# Altium PCB WUT-4-3-3.PcbDoc (part 1 of 4)
Units mil, origin at the board's own origin, x right, y up, seen from the top; angles counter-clockwise.
Board outline 3346.46 x 2204.72 mil, 4 copper layers (Top Layer, GND Plane, 3V3 Plane, Bottom Layer), stack 30.635 mil thick; 241 components, 333 nets, 1194 pads, 457 vias.
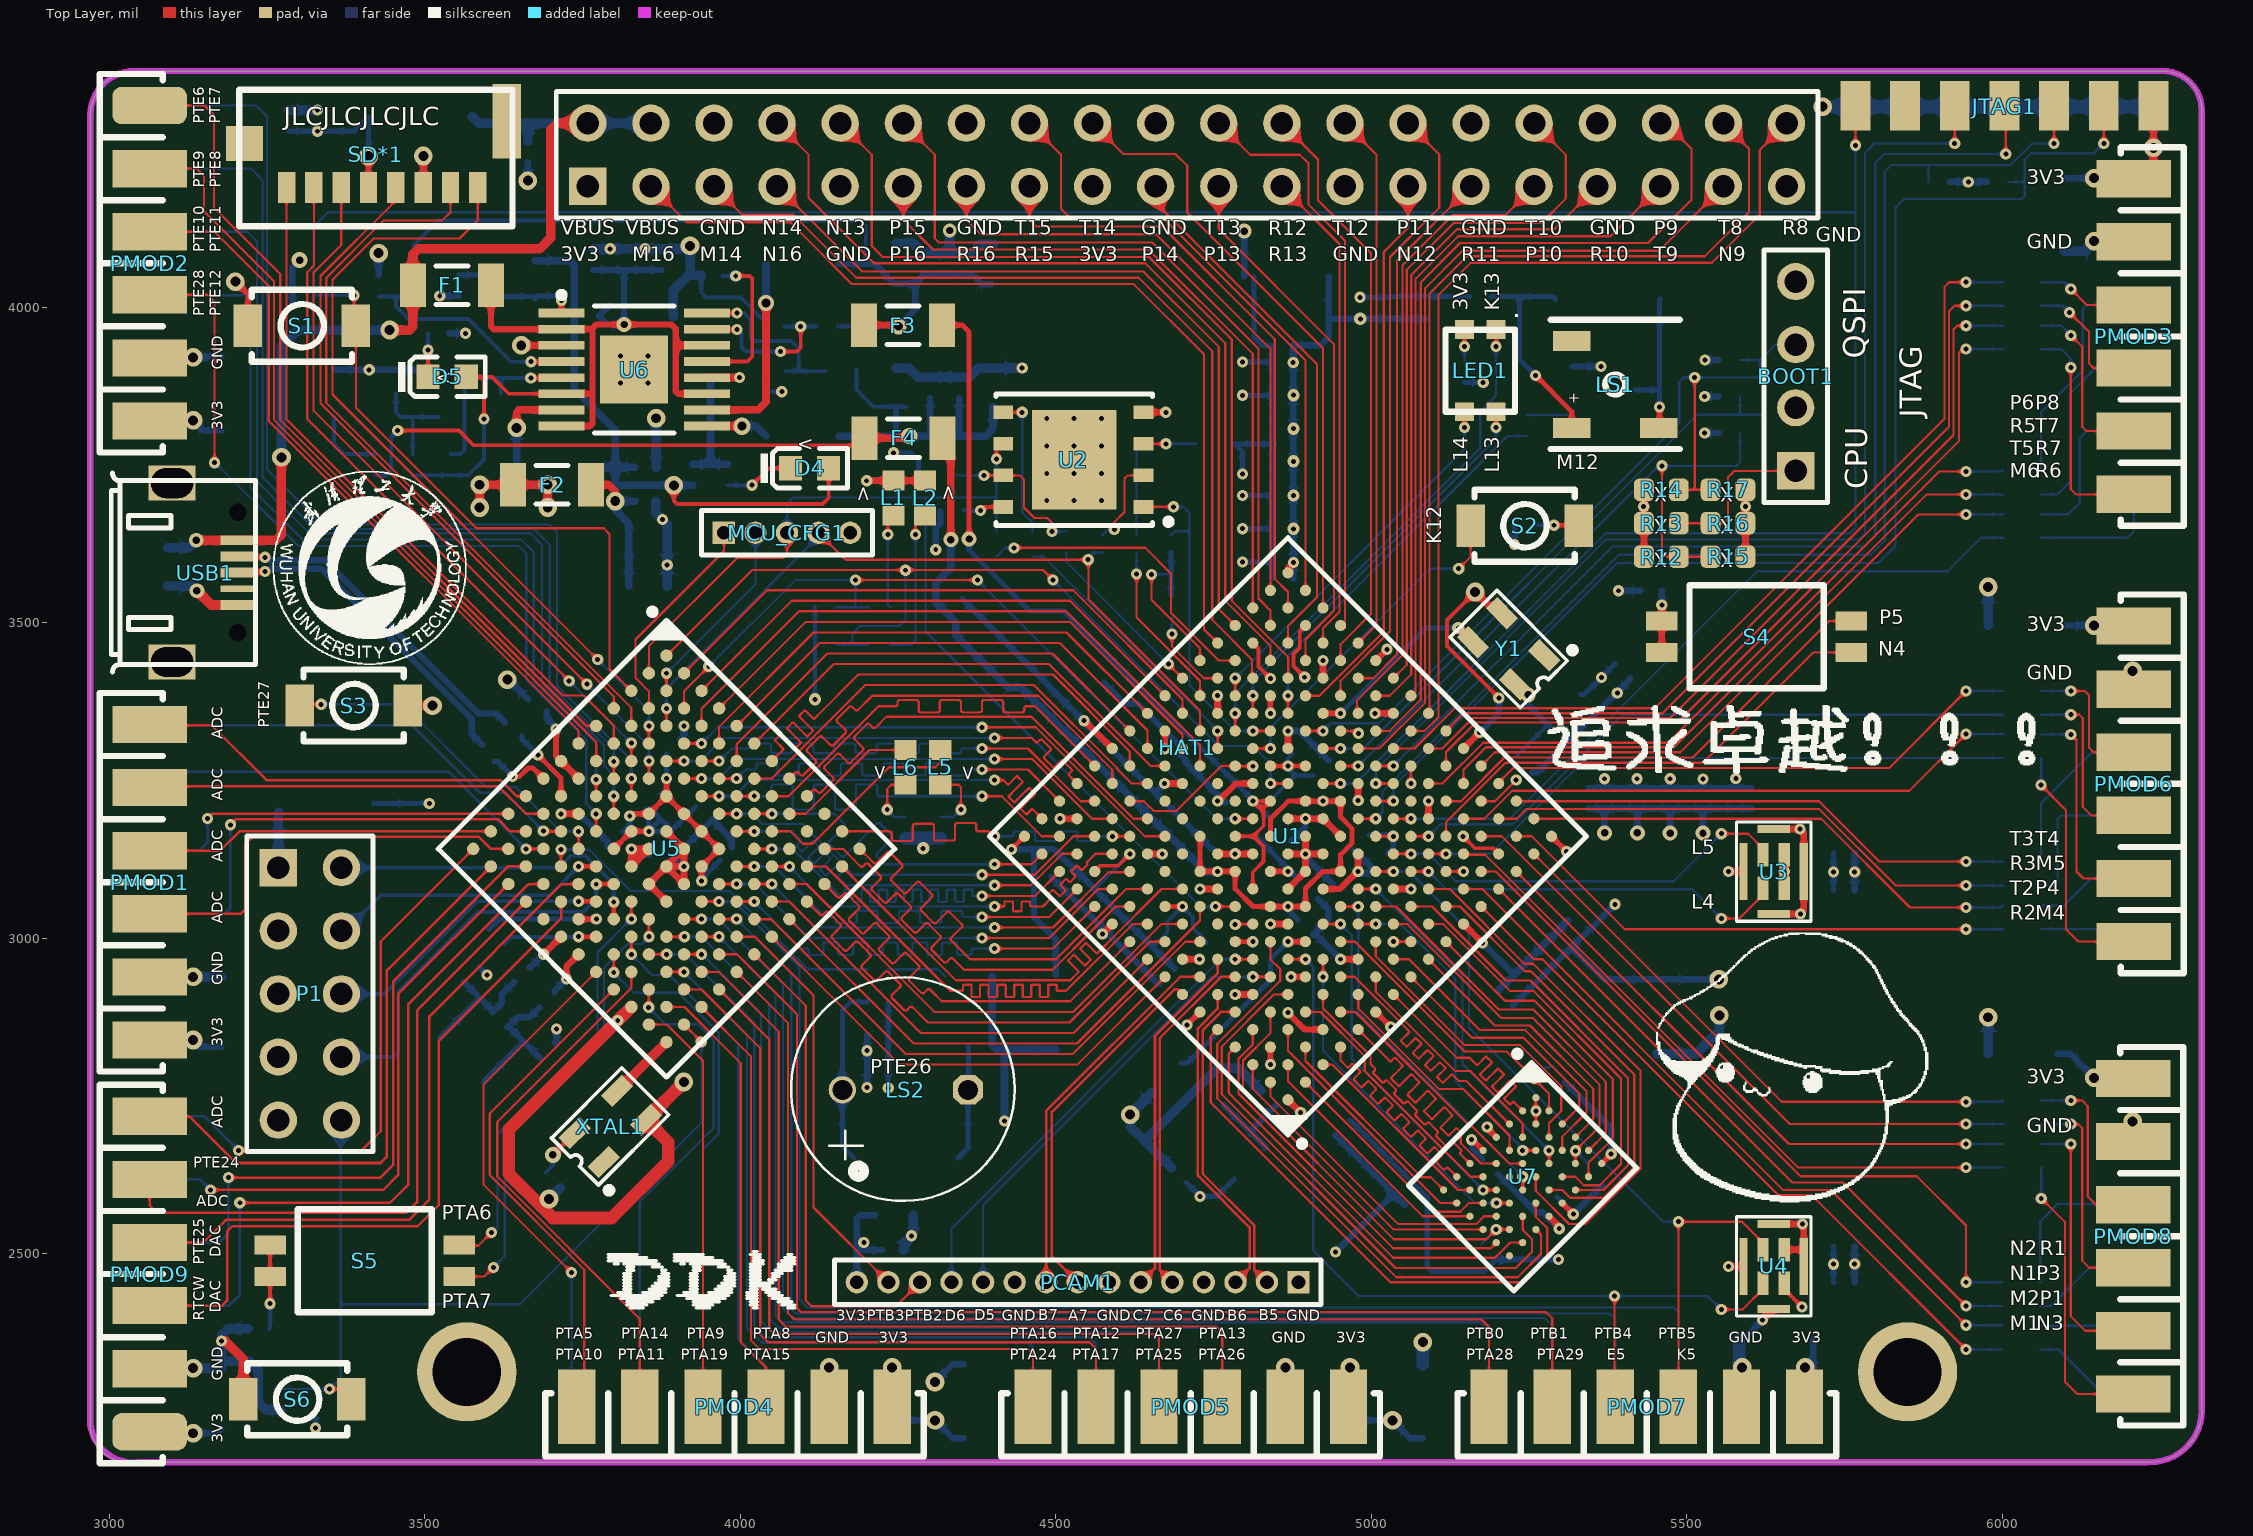
[diagram p0: Top Layer view]
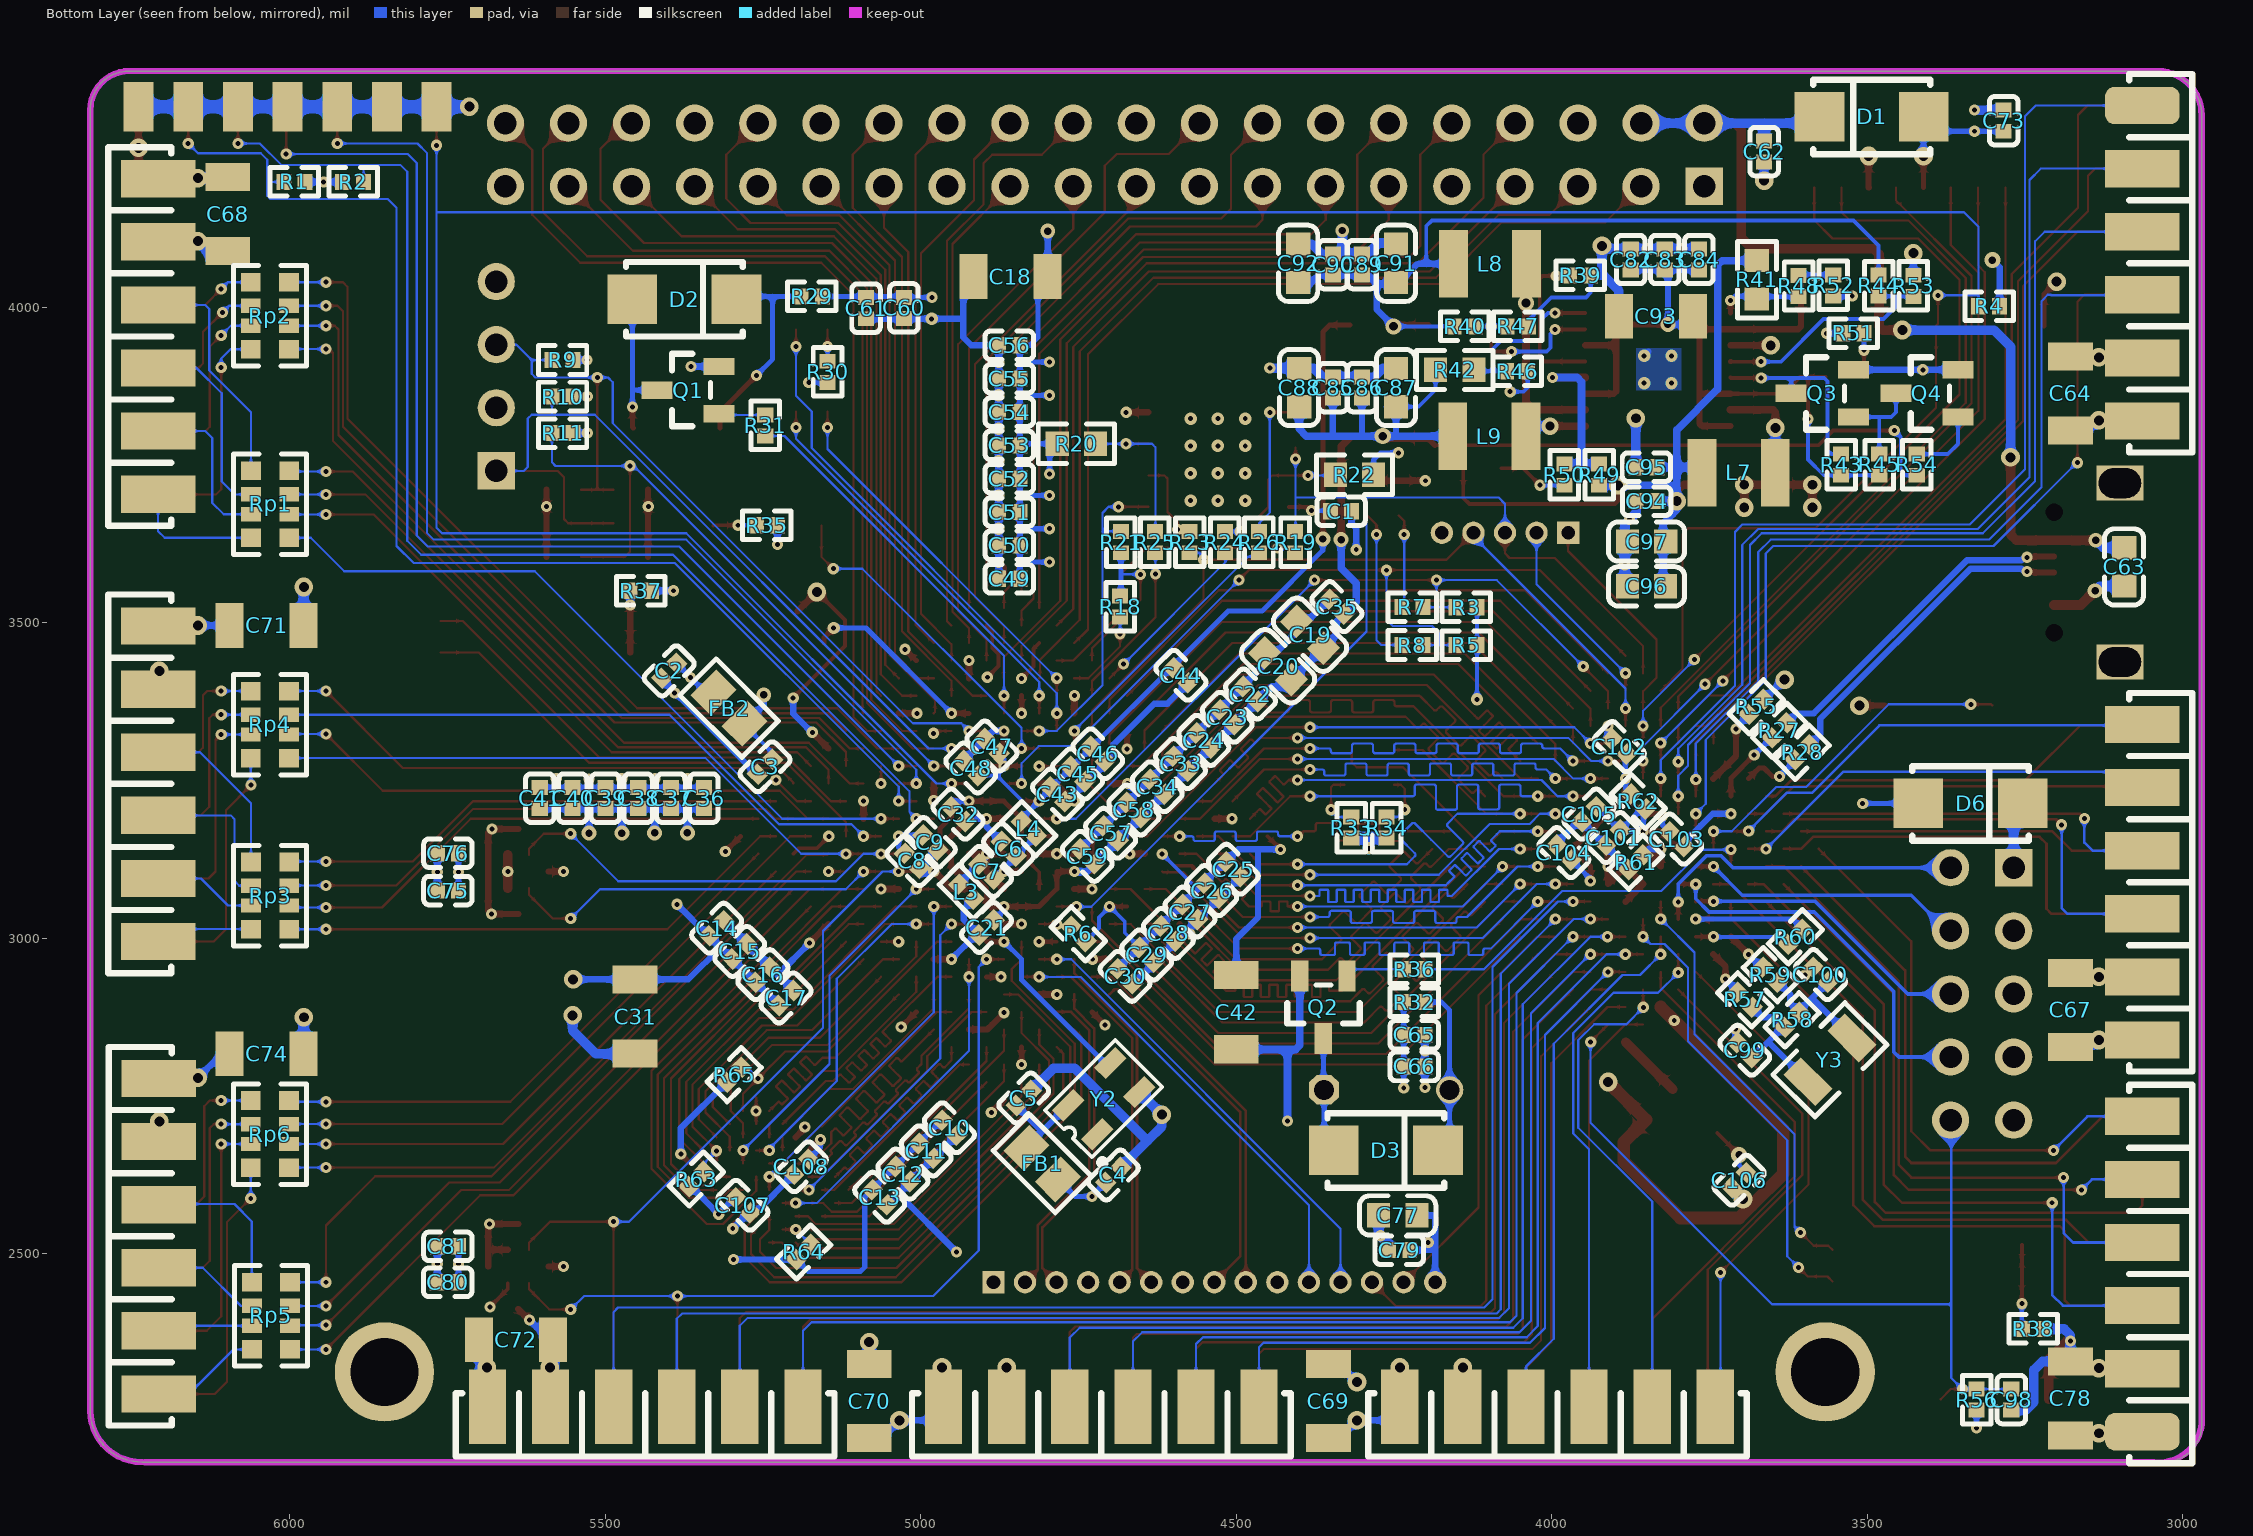
[diagram p1: Bottom Layer view, seen from below]
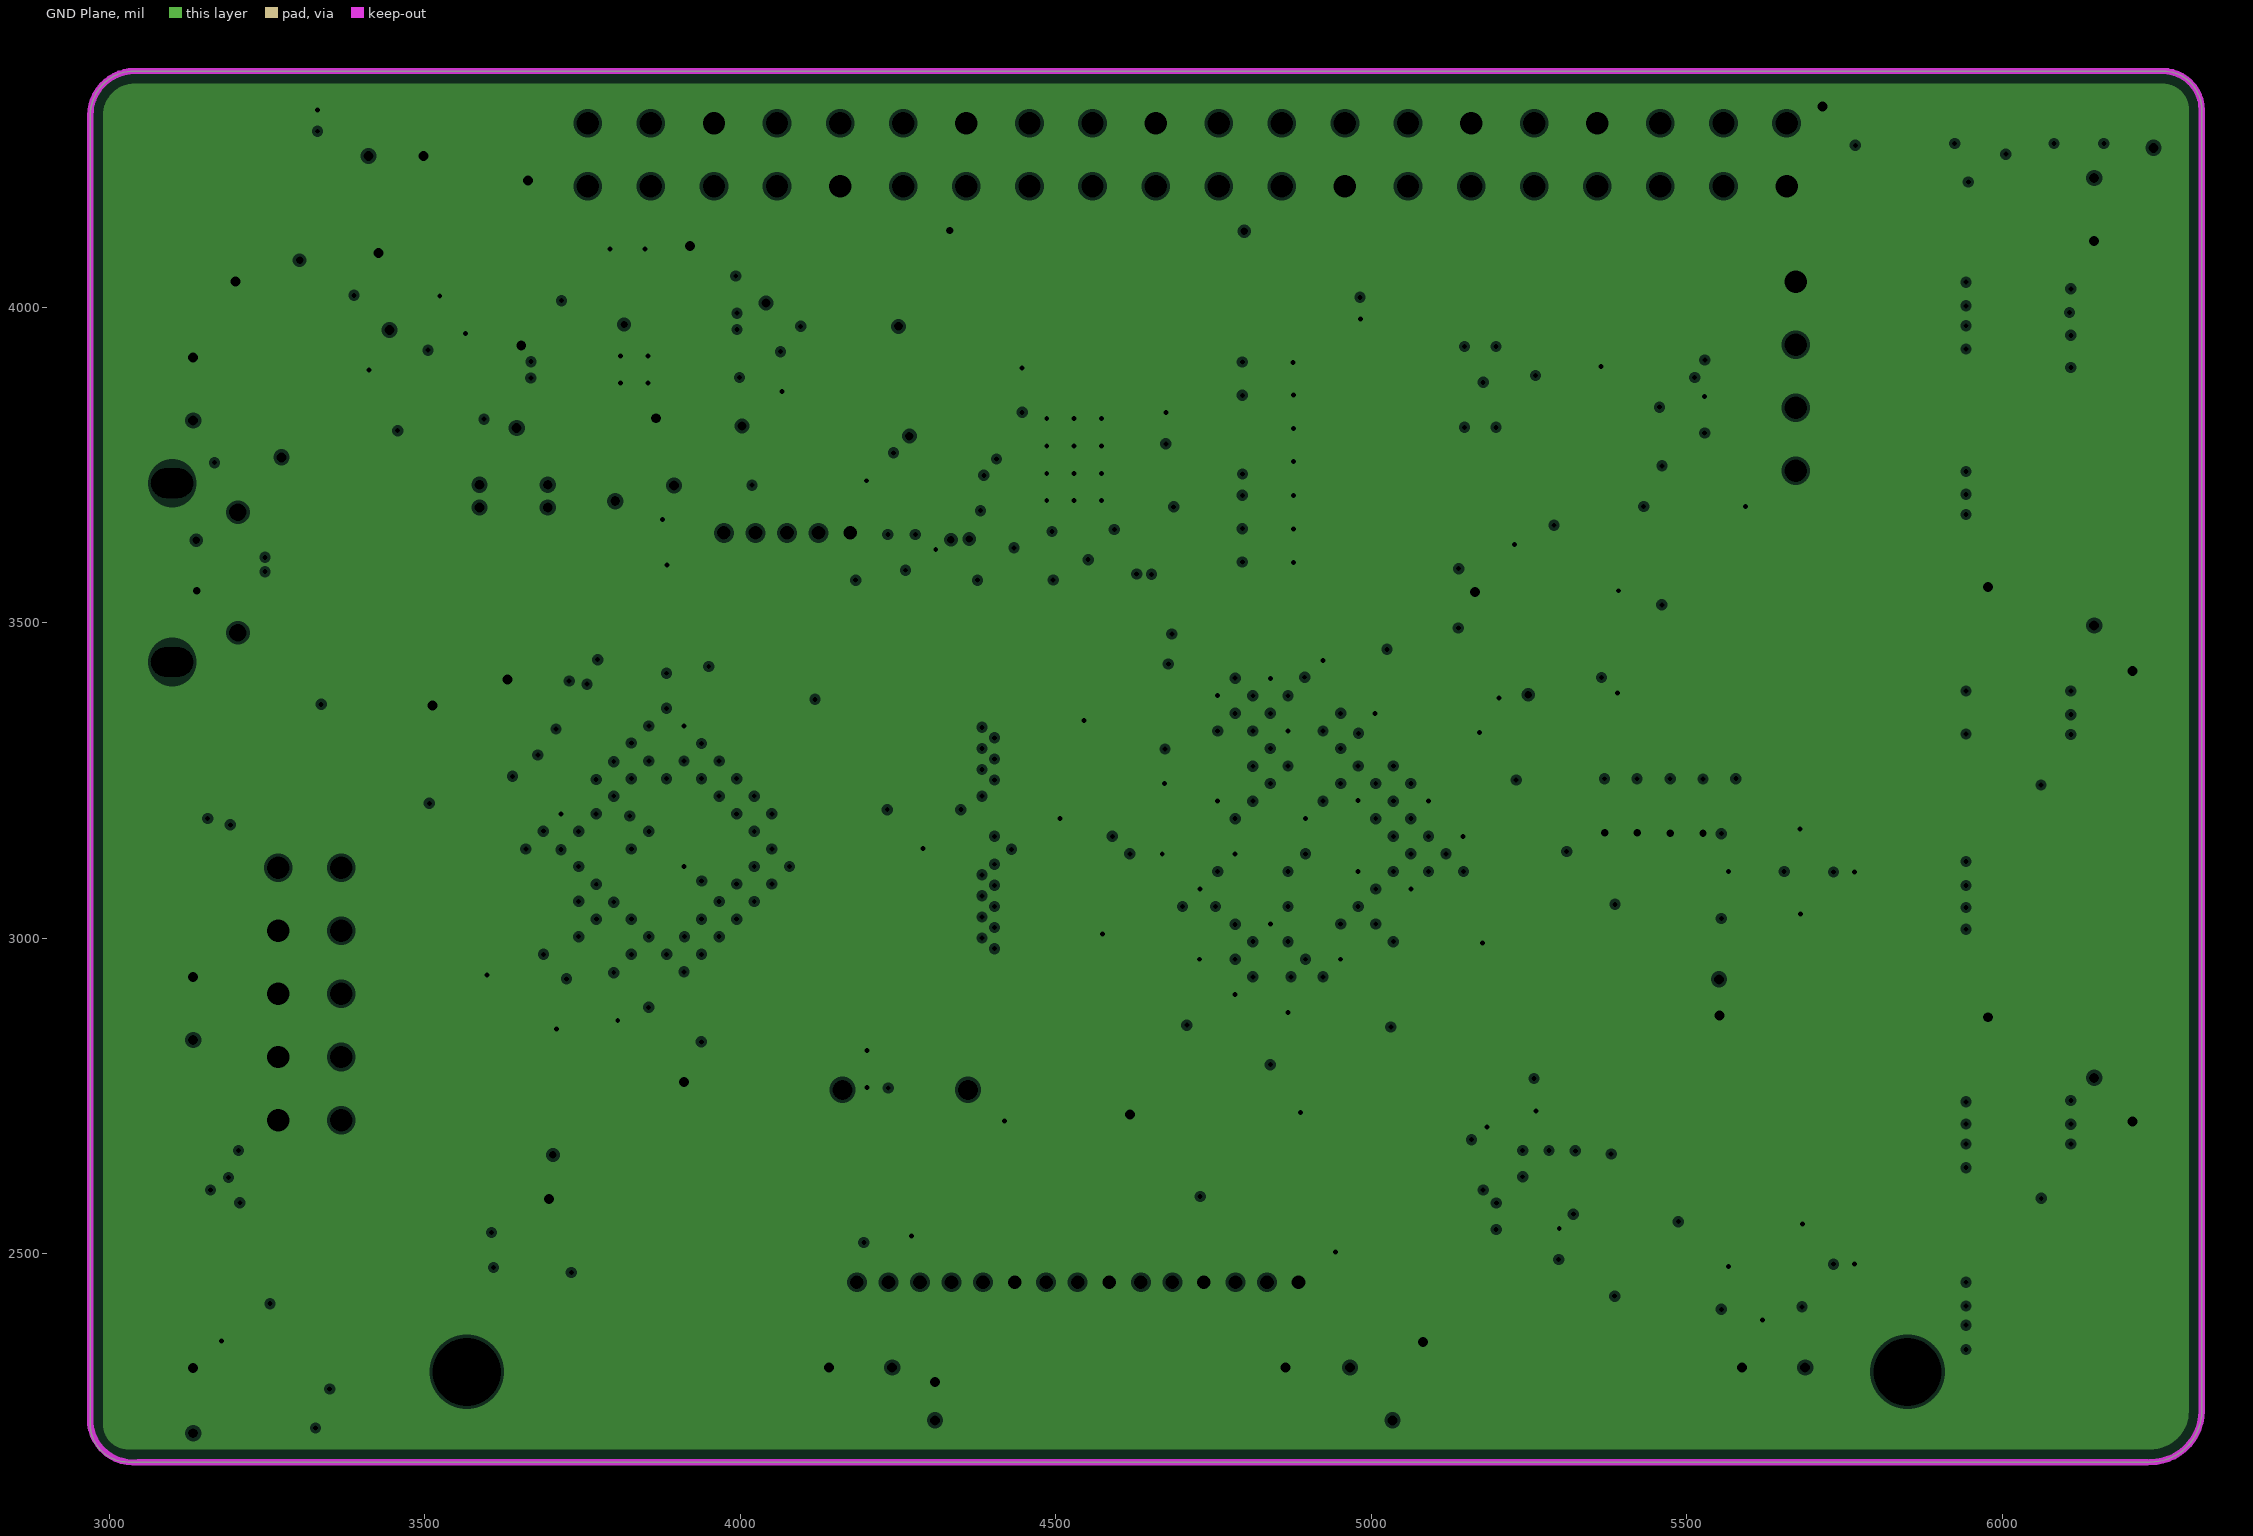
[diagram p2: GND Plane, clearances drawn from the general rule]
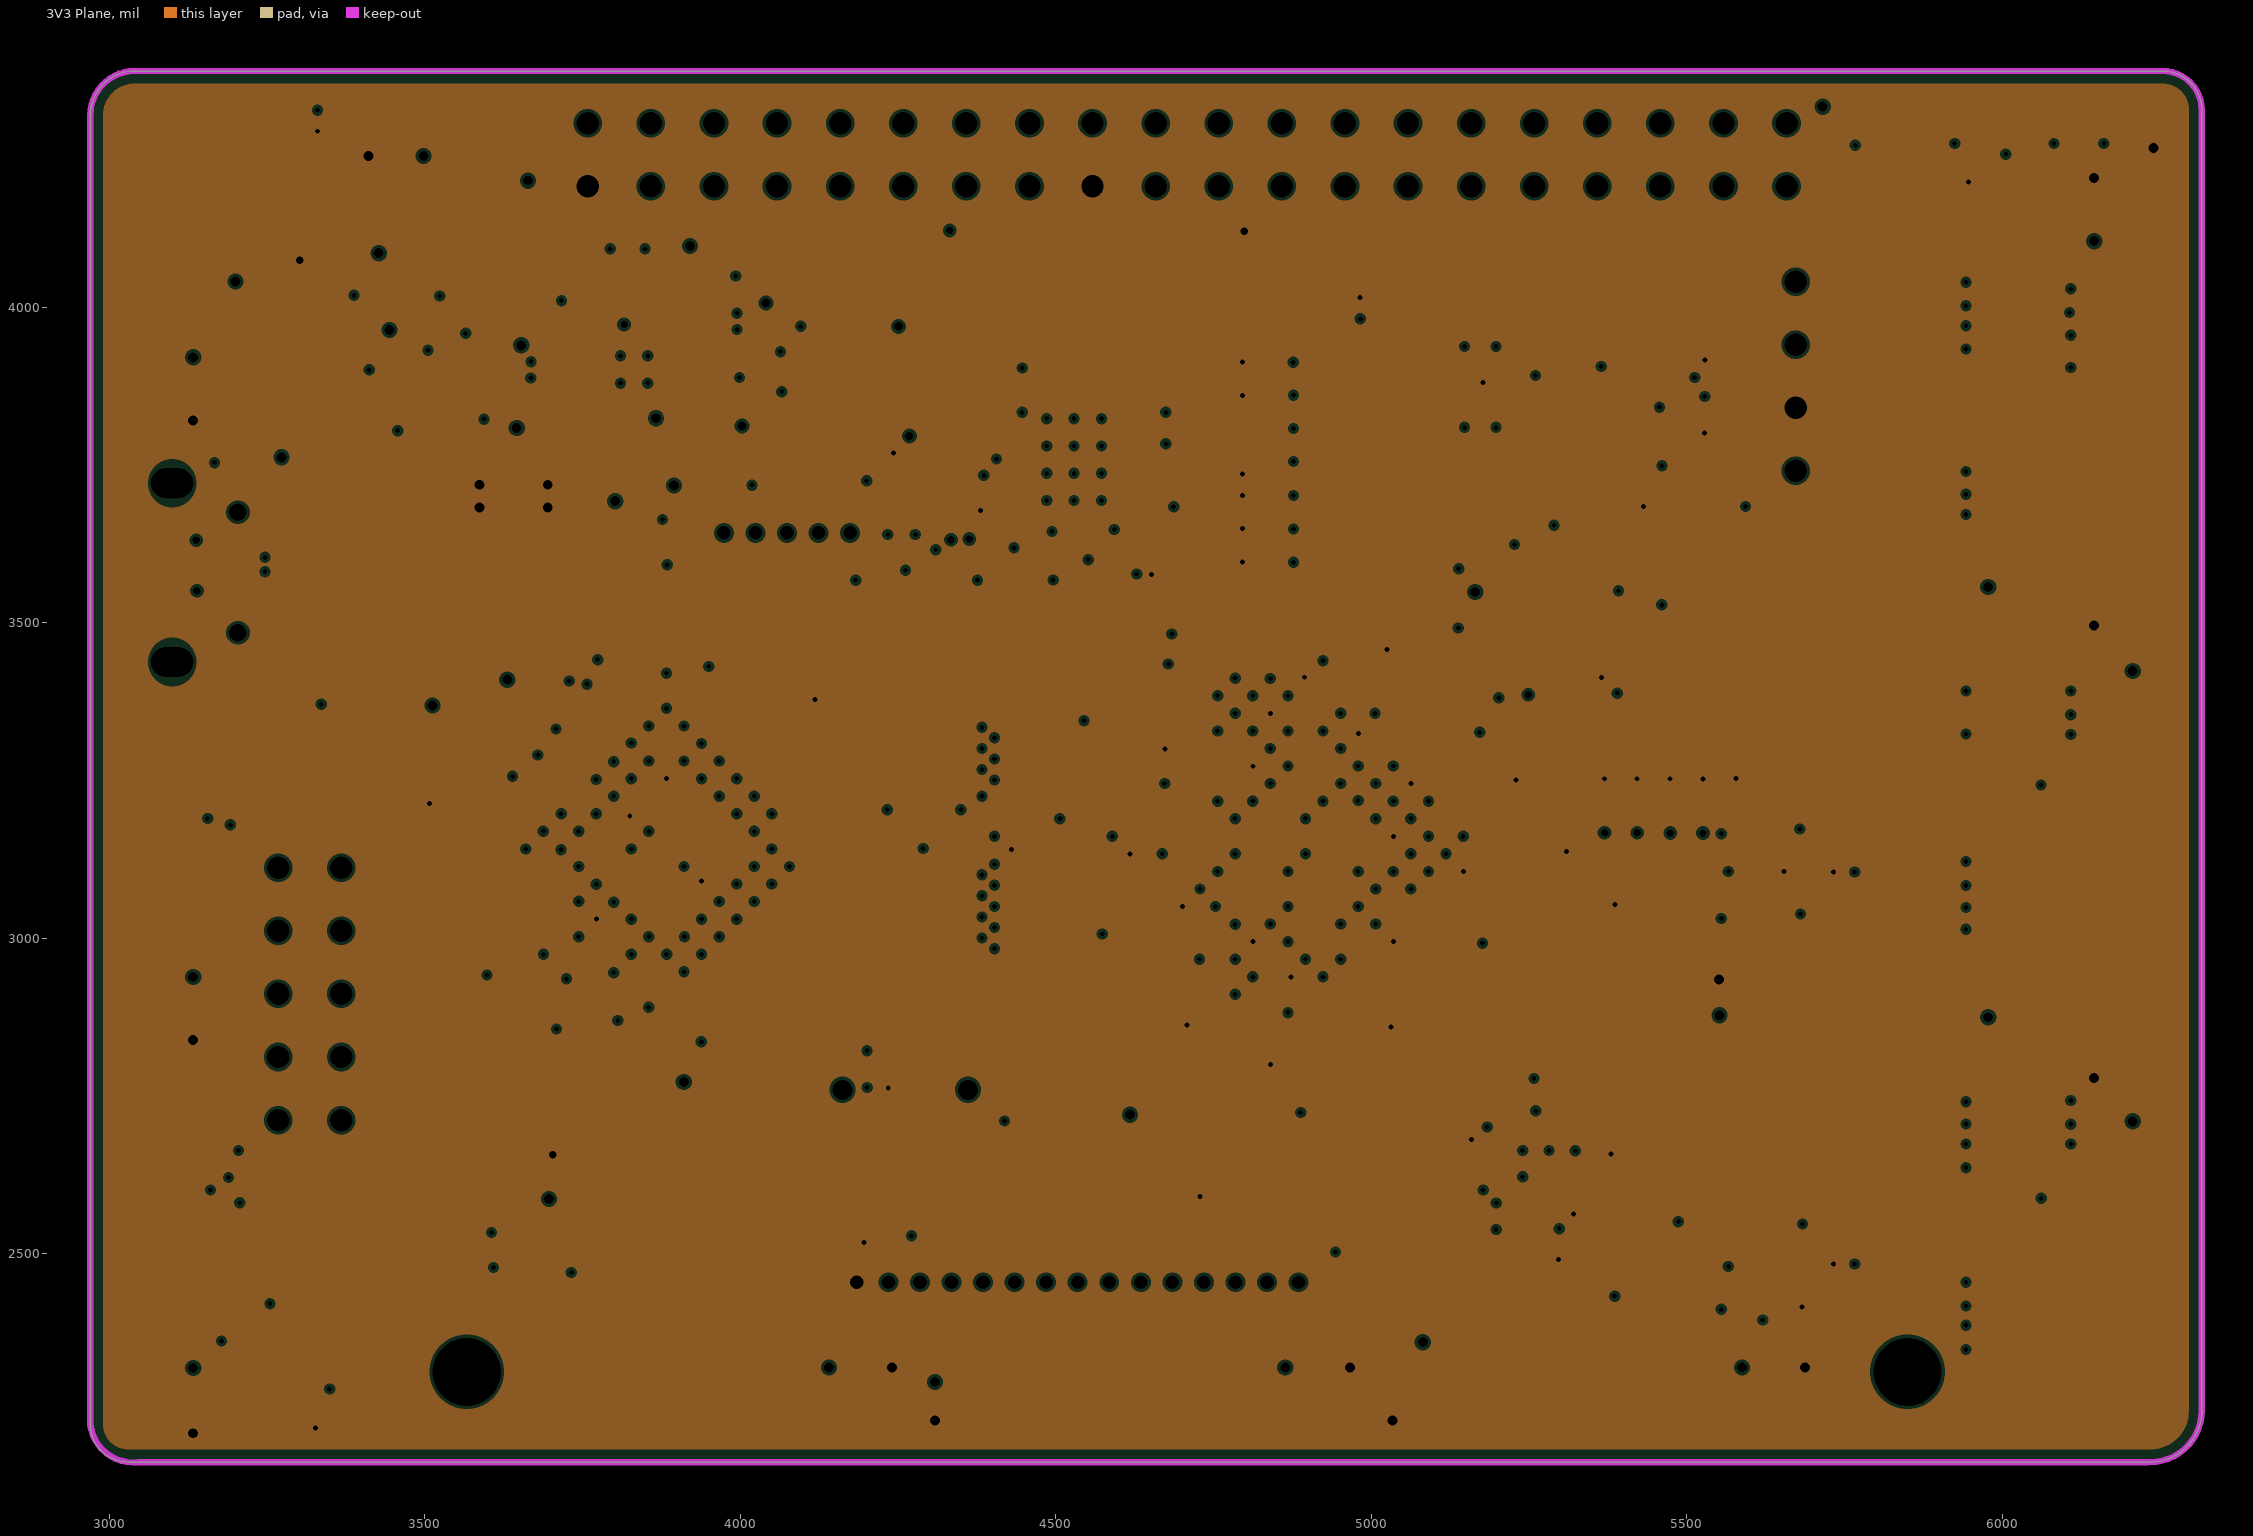
[diagram p3: 3V3 Plane, clearances drawn from the general rule]

## Layer stack, top to bottom
Top Solder: solder mask 0.4, Solder Resist, Dk 3.5
Top Layer: signal copper 1.4
Dielectric 1: core 10, FR-4, Dk 4.2
GND Plane: plane copper 1.4173, net GND
Dielectric 3: prepreg 5, Dk 4.2
3V3 Plane: plane copper 1.4173, net 3V3
Dielectric 2: core 10, Dk 4.2
Bottom Layer: signal copper 1.4
Bottom Solder: solder mask 0.4, Solder Resist, Dk 3.5

## Board outline
2970,2230 ccw(c3030,2230) 3030,2170 6235,2170 ccw(c6235,2251.46) 6316.46,2251.46 6316.46,4313.04 ccw(c6254.78,4313.04) 6254.78,4374.72 3040.22,4374.72 ccw(c3040.22,4304.5) 2970,4304.5

## Design rules (kind name [scope] priority, off if disabled: settings)
Clearance [All] p1: gap=5 ignorepadtopadclearanceinfootprint=FALSE except(0: Arc-Hole Track-Hole SMDPad-Hole THPad-Hole Via-Hole Fill-Hole Poly-Hole Region-Hole Text-Hole; 3.5: Arc-Arc Arc-Track Track-Track; 10: Arc-Text Track-Text SMDPad-Text THPad-Text Via-Text Fill-Text Poly-Text Region-Text Text-Text)
DiffPairsRouting [All] p1: maxlimit=10 minlimit=3.5 mostfreqgap=10 toplayer_minwidth=4 toplayer_maxwidth=15 toplayer_prefwidth=15 bottomlayer_minwidth=4 bottomlayer_maxwidth=15 bottomlayer_prefwidth=15 maxuncoupledlength=500
PlaneClearance [All] p1: clearance=5
PlaneConnect [All] p1: planeconnectstyle=Direct reliefexpansion=20 reliefentries=4 reliefconductorwidth=10 reliefairgap=10
PolygonConnect [All] p1: thpad.connectstyle=Relief thpad.reliefconductorwidth=10 thpad.reliefentries=4 thpad.polygonreliefangle="90 Angle" thpad.airgapwidth=10 smdpad.connectstyle=Relief smdpad.reliefconductorwidth=10 smdpad.reliefentries=4 smdpad.polygonreliefangle="90 Angle" smdpad.airgapwidth=10 via.connectstyle=Direct via.reliefconductorwidth=10 via.reliefentries=4 via.polygonreliefangle="90 Angle" via.airgapwidth=10
RoutingVias [All] p1: holewidth=7.87 width=17.72 viastyle="Through Hole" minholewidth=7.87 minwidth=17.72 maxholewidth=248.03 maxwidth=50
SolderMaskExpansion [All] p1: expansion=4
Width [All] p1: maxlimit=80 minlimit=3.5 preferedwidth=10 minimp=50.000000 maximp=50.000000 favimp=50.000000
27 further rules are at their usual default settings.

## Classes and differential pairs
component class Power: C82 C83 C84 C85 C86 C87 C88 C89 C90 C91 C92 C93 C94 C95 C96 C97 D4 D5 F2 F3 F4 L7 L8 L9 Q3 Q4 R39 R40 R41 R42 R43 R44 R45 R46 R47 R48 R49 R50 R51 R52 R53 R54 U6
net class SRAM-DQ[15..0]: SRAM-DQ0 SRAM-DQ1 SRAM-DQ2 SRAM-DQ3 SRAM-DQ4 SRAM-DQ5 SRAM-DQ6 SRAM-DQ7 SRAM-DQ8 SRAM-DQ9 SRAM-DQ10 SRAM-DQ11 SRAM-DQ12 SRAM-DQ13 SRAM-DQ14 SRAM-DQ15
net class SRAM-A[19..0]: SRAM-A0 SRAM-A1 SRAM-A2 SRAM-A3 SRAM-A4 SRAM-A5 SRAM-A6 SRAM-A7 SRAM-A8 SRAM-A9 SRAM-A10 SRAM-A11 SRAM-A12 SRAM-A13 SRAM-A14 SRAM-A15 SRAM-A16 SRAM-A17 SRAM-A18 SRAM-A19
net class PTE[5..0]: PTE0 PTE1 PTE2 PTE3 PTE4 PTE5 PTE6 PTE7 PTE8 PTE9 PTE10 PTE11 PTE12 PTE24 PTE25 PTE26 PTE27 PTE28
net class FB_AD[31..0]: FB_AD0 FB_AD1 FB_AD2 FB_AD3 FB_AD4 FB_AD5 FB_AD6 FB_AD7 FB_AD8 FB_AD9 FB_AD10 FB_AD11 FB_AD12 FB_AD13 FB_AD14 FB_AD15 FB_AD16 FB_AD17 FB_AD18 FB_AD19 FB_AD20 FB_AD21 FB_AD22 FB_AD23 FB_AD24 FB_AD25 FB_AD26 FB_AD27 FB_AD28 FB_AD29 FB_AD30 FB_AD31
net class BANK15_IO[9..1]: BANK15_IO1 BANK15_IO2 BANK15_IO3 BANK15_IO4 BANK15_IO5 BANK15_IO6 BANK15_IO7 BANK15_IO8 BANK15_IO9
net class BANK14_IO[42..1]: BANK14_IO1 BANK14_IO2 BANK14_IO3 BANK14_IO4 BANK14_IO5 BANK14_IO6 BANK14_IO7 BANK14_IO8 BANK14_IO9 BANK14_IO10 BANK14_IO11 BANK14_IO12 BANK14_IO13 BANK14_IO14 BANK14_IO15 BANK14_IO16 BANK14_IO17 BANK14_IO18 BANK14_IO19 BANK14_IO20 BANK14_IO21 BANK14_IO22 BANK14_IO23 BANK14_IO24 BANK14_IO25 BANK14_IO26 BANK14_IO27 BANK14_IO28 BANK14_IO29 BANK14_IO30 BANK14_IO31 BANK14_IO32 BANK14_IO33 BANK14_IO34 BANK14_IO35 BANK14_IO36 BANK14_IO37 BANK14_IO38 BANK14_IO39 BANK14_IO40 BANK14_IO41 BANK14_IO42
net class ANALOG[13..0]: ANALOG0 ANALOG1 ANALOG2 ANALOG3 ANALOG4 ANALOG5 ANALOG6 ANALOG7 ANALOG8 ANALOG9 ANALOG10 ANALOG11 ANALOG12 ANALOG13
component class MEMORY: C107 C108 R63 R64 R65 U7
component class MCU: C98 C99 C100 C101 C102 C103 C104 C105 C106 D6 P1 R55 R56 R57 R58 R59 R60 R61 R62 S6 U5 XTAL1 Y3
component class IO: C60 C61 C62 C63 C64 C65 C66 C67 C68 C69 C70 C71 C72 C73 C74 C75 C76 C77 C78 C79 C80 C81 D1 D2 D3 F1 HAT1 L5 L6 LED1 LS1 LS2 P2 P? PCAM1 PMOD1 PMOD2 PMOD3 PMOD4 PMOD5 PMOD6 PMOD7 PMOD8 PMOD9 Q1 Q2 R27 R28 R29 R30 R31 R32 R33 R34 R35 R36 R37 R38 Rp1 Rp2 Rp3 Rp4 Rp5 Rp6 S2 S3 S4 S5 SD*1 U3 U4 USB1
component class FPGA_Power: C6 C7 C8 C9 C10 C11 C12 C13 C14 C15 C16 C17 C18 C19 C20 C21 C22 C23 C24 C25 C26 C27 C28 C29 C30 C31 C32 C33 C34 C35 C36 C37 C38 C39 C40 C41 C42 C43 C44 C45 C46 C47 C48 C49 C50 C51 C52 C53 C54 C55 C56 C57 C58 C59 L3 L4
component class FPGA_IO: C1 C2 C3 C4 C5 FB1 FB2 R18 R19 R20 R21 R22 R23 R24 R25 R26 U2 Y1 Y2
component class FPGA_CFG: BOOT1 JTAG1 L1 L2 MCU_CFG1 R1 R2 R3 R4 R5 R6 R7 R8 R9 R10 R11 R12 R13 R14 R15 R16 R17 S1 U1
differential pair MIPILANE1: +MIPILANE1_P -MIPILANE1_N
differential pair MIPILANE0: +MIPILANE0_P -MIPILANE0_N
differential pair MIPICLK: +MIPICLK_P -MIPICLK_N
differential pair USB0: +USB0_P -USB0_N
differential pair USB0D: +USB0D_P -USB0D_N
